# Altium PCB PCB_Kasli.PCBDOC (part 4 of 16)
Units mm, origin at the board's own origin, x right, y up, seen from the top; angles counter-clockwise.
Board outline 200.3 x 100 mm, 6 copper layers (TopLayer, MidLayer1, MidLayer2, SignalLayer1, Internal Plane 1, BottomLayer), stack 1.528 mm thick; 775 components, 636 nets, 3136 pads, 1724 vias.
Unrouted connection lines stored in the file: 7.
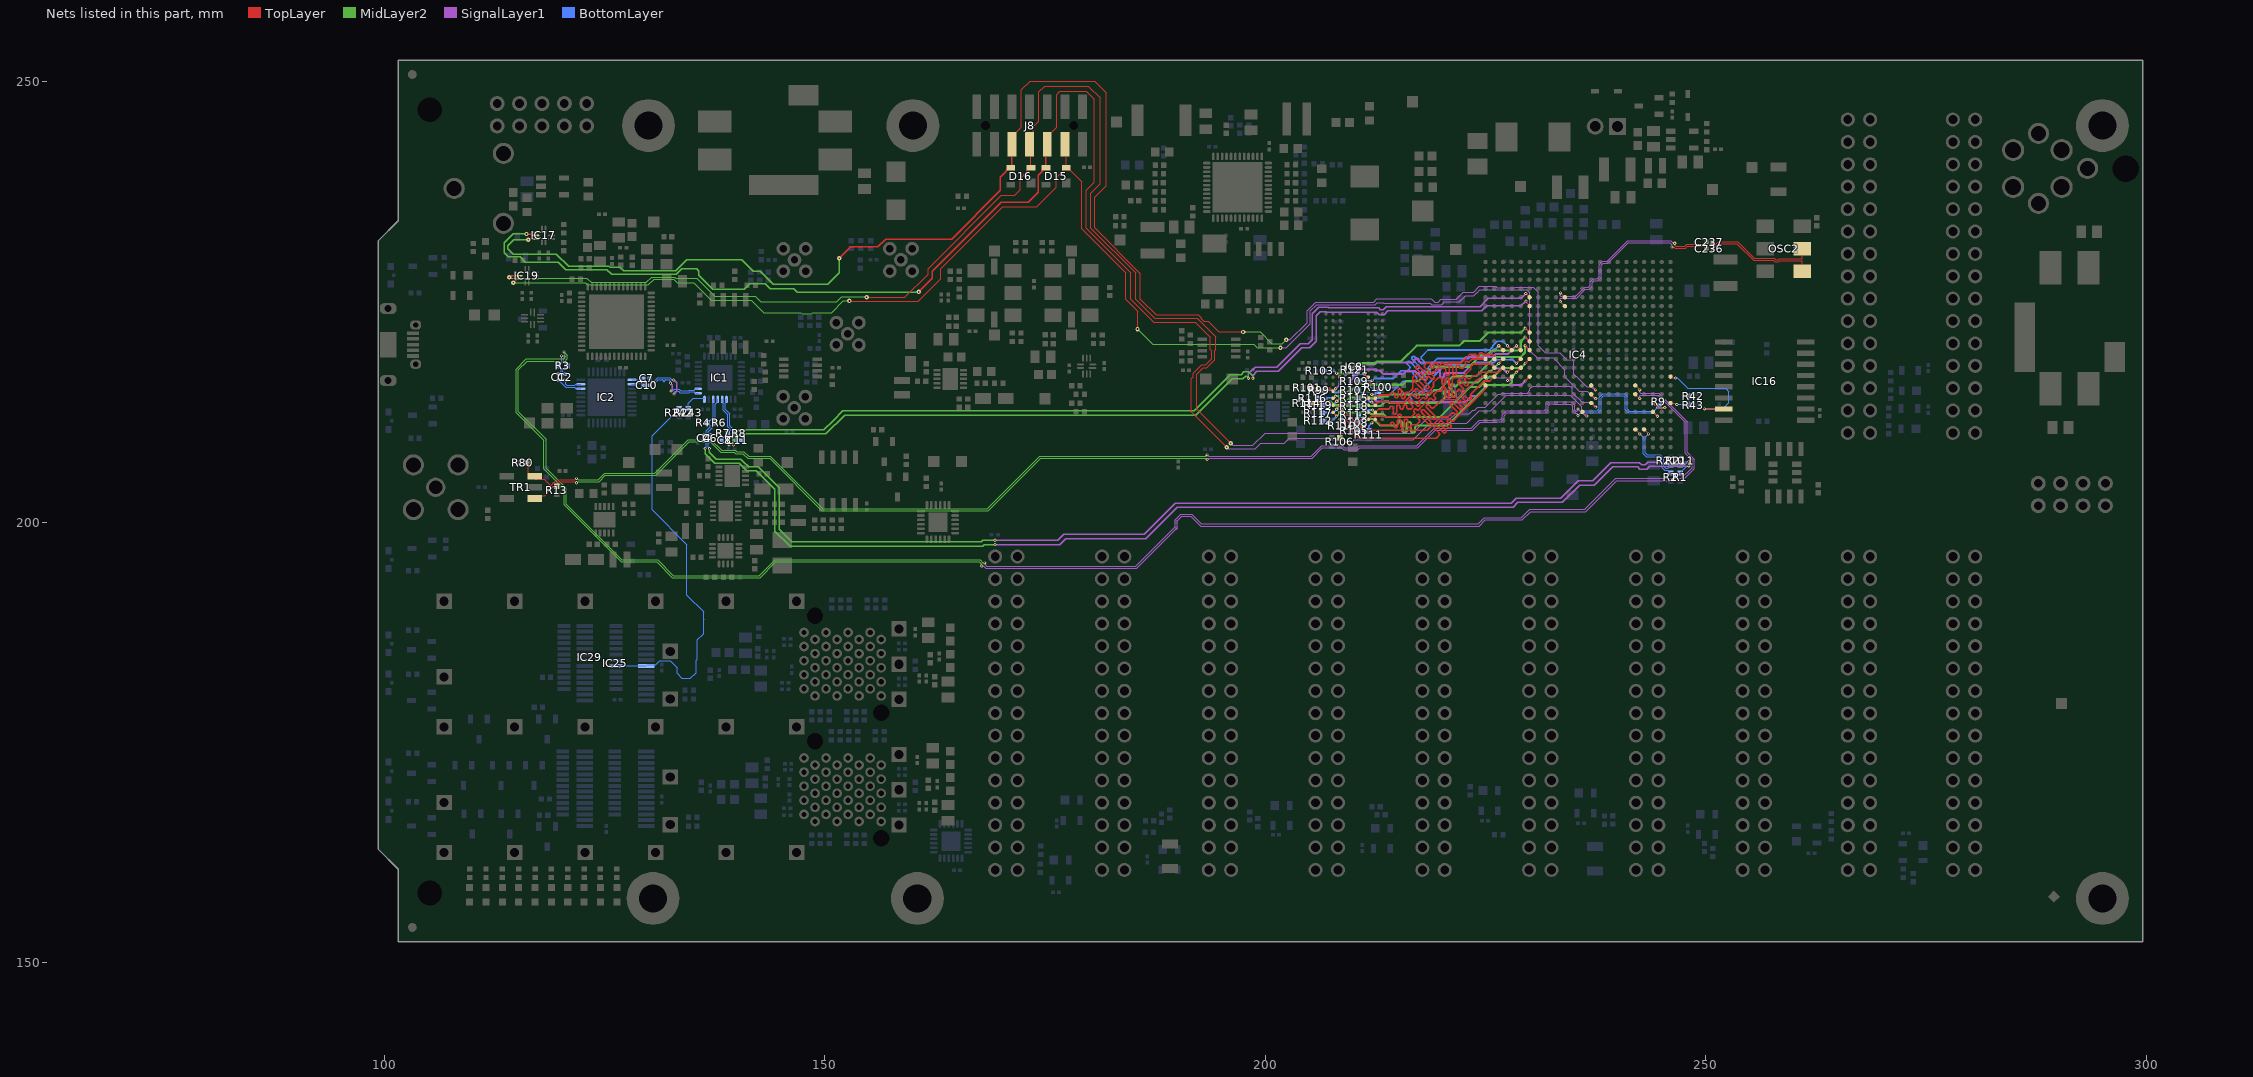
[diagram p8: the nets of this part, all layers, seen from the top]

## Via types
v1: diameter 0.5, hole 0.2, TopLayer to BottomLayer, tented both sides, 845 vias
v2: diameter 0.35, hole 0.15, TopLayer to BottomLayer, tented both sides, 612 vias
v3: diameter 0.8, hole 0.5, TopLayer to BottomLayer, tented both sides, 144 vias
v4: diameter 0.8, hole 0.5, TopLayer to BottomLayer, 66 vias
v5: diameter 0.5, hole 0.2, TopLayer to BottomLayer, 57 vias

## Nets (pads, with @x,y where several pads share a name; then routed paths per layer and width w, separated by ;. In a path a pad name is that pad's centre, name@x,y a point inside that pad or via, vN(x,y) a via of type N, cw(c..) or ccw(c..) an arc to the next point about the centre after c; other vN are vias at no path point) (continued)
CFG_MOSI: IC4.P22 IC16.15 | length 13.9
  TopLayer w0.125: IC4.P22@245.991,216.515 246.146,216.36 v2(246.556,216.36) ; v2(249.825,212.85) 252.025,212.85 IC16.15@252.05,212.825
  BottomLayer w0.125: v2(246.556,216.36) 246.734,216.36 247.919,215.175 252.237,215.175 252.619,214.792 252.619,213.525 251.944,212.85 v2(249.825,212.85)
CFG_PUDC_B: IC4.U22 R42.1 R43.2 | length 3.1
  TopLayer w0.125: IC4.U22@245.991,213.515 246.469,213.515 246.634,213.35 v2(246.694,213.35)
  BottomLayer w0.125: v2(246.694,213.35) R43.2@247.981,213.35 ; R43.2@248.123,213.242 R42.1@248.123,214.258
CFG_TCK: D15.3 IC4.V12 IC17.4 J8.6 | length 188.5
  TopLayer w0.125: J8.6@175.25,242.875 175.25,243.75 176.325,244.825 176.325,248.525 176.675,248.875 179.7,248.875 180.6,247.975 180.6,238.575 179.675,237.65 179.675,233.35 184.75,228.275 184.75,225.275 187.35,222.675 192.05,222.675 193.775,220.95 193.775,219.575 193.9,219.45 193.9,218.55 193.225,217.875 192.805,217.875 191.813,216.882 191.813,216.508 191.575,216.271 191.575,212.531 v1(195.615,208.49) ; IC4.V12@235.991,212.515 236.456,212.05 v2(236.494,212.05)
  TopLayer w0.15: v1(116.15,232.7) 116.163,232.687 116.588,232.687 116.738,232.537 IC17.4@117.21,232.537 ; v1(160.675,226.125) 162.225,227.675 162.225,228.475 170.05,236.3 173.125,236.3 174.25,237.425 174.25,239.35 174.691,239.791 174.691,239.975 174.916,240.2 D15.3@175.1,240.2 175.1,242.725 J8.6@175.25,242.875
  MidLayer2 w0.15: v1@116.225,232.625 v1(116.15,232.7) 114.625,232.7 113.625,231.7 113.625,230.547 114.06,230.111 115.425,230.111 116.036,229.5 119.75,229.5 120.631,228.619 125.281,228.619 125.8,228.1 133.122,228.1 133.747,228.725 135.446,228.725 135.725,228.446 135.725,228 137.275,226.45 140.849,226.45 141.469,227.069 143.231,227.069 143.801,226.5 146.486,226.5 146.9,226.086 160.636,226.086 v1(160.675,226.125)
  SignalLayer1 w0.1: v1(195.615,208.49) 195.756,208.35 198.85,208.35 199.456,208.956 202.162,208.956 202.737,209.531 207.79,209.531 207.976,209.346 208.849,209.346 209.289,208.906 209.662,208.906 210.087,209.331 216.801,209.331 218.671,211.202 222.846,211.202 224.269,212.625 225.589,212.625 226.256,213.291 226.256,213.336 227.33,214.41 234.626,214.41 235.926,213.111 235.926,212.481 v2@236.426,211.981
CFG_TDI: D16.3 IC4.R13 IC17.5 J8.10 | length 184.6
  TopLayer w0.125: J8.10@171.25,242.875 171.25,243.75 172.325,244.825 172.325,249.075 173.3,250.05 180.625,250.05 181.95,248.725 181.95,238.2 180.625,236.875 180.625,233.391 185.825,228.191 185.825,225.302 187.602,223.525 192.4,223.525 192.738,223.187 192.738,223.058 193.017,222.779 193.521,222.779 194.725,221.575 v1(197.475,221.575) ; IC4.R13@236.991,215.515 v2(237.491,215.015)
  TopLayer w0.15: v1@116.356,231.931 v1(116.356,232.036) 116.456,232.137 IC17.5@117.21,232.137 ; v1(151.65,229.95) 152.925,231.225 156,231.225 156.9,232.125 164.4,232.125 169.925,237.65 169.925,239.15 171.25,240.475 J8.10@171.25,242.875
  MidLayer2 w0.1: v1(197.475,221.575) 199.4,221.575 200.75,220.225 201.925,220.225 v1(202.375,220.675)
  MidLayer2 w0.15: v1(116.356,232.036) 114.708,232.036 114.025,231.353 114.025,231.048 114.648,230.425 116.295,230.425 116.309,230.411 119.538,230.411 120.924,229.025 125.525,229.025 125.6,228.95 126.758,228.95 127.208,228.5 133.082,228.5 134.331,229.749 140.601,229.749 141.875,228.475 142.7,228.475 144.175,227 150.325,227 151.65,228.325 v1(151.65,229.95)
  SignalLayer1 w0.1: v1(202.375,220.675) 202.8,220.675 204.775,222.65 204.775,224 205.75,224.975 212.315,224.975 212.665,225.325 218.858,225.325 219.233,224.95 219.606,224.95 219.931,225.275 221.644,225.275 222.476,226.106 223.649,226.106 224.293,226.75 226.15,226.75 226.329,226.571 228.291,226.571 228.345,226.625 230.412,226.625 230.975,226.062 230.975,220.001 231.77,219.206 233.426,219.206 234.226,218.406 234.851,218.406 235.031,218.226 235.031,216.797 235.258,216.57 235.286,216.57 236.476,215.381 236.988,215.381 v2@237.423,214.946
CFG_TDO: D16.2 IC4.U13 IC19.4 J8.8 | length 183.9
  TopLayer w0.125: v1(154.75,225.525) 159.1,225.525 161.725,228.15 161.725,228.775 170.025,237.075 171.55,237.075 172.175,237.7 172.175,238.975 172.992,239.792 172.992,239.963 173.23,240.2 D16.2@173.4,240.2 173.4,242.725 J8.8@173.25,242.875 173.687,243.313 173.687,244.862 174.3,245.475 174.3,248.825 174.95,249.475 179.925,249.475 181.25,248.15 181.25,238.375 180.2,237.325 180.2,233.35 185.275,228.275 185.275,225.3 187.425,223.15 192.25,223.15 194.375,221.025 194.375,219.575 194.25,219.45 194.25,218.405 193.37,217.525 192.95,217.525 192.225,216.8 192.225,212.8 v1(196.075,208.95) ; IC4.U13@236.991,213.515 237.468,213.039 v2(237.519,213.039)
  TopLayer w0.15: v1(114.2,227.8) 114.295,227.8 114.46,227.965 114.99,227.965 114.997,227.972 115.297,227.972 IC19.4@115.305,227.965
  MidLayer2 w0.125: v1(114.2,227.8) 114.3,227.7 123,227.7 123.475,227.225 129.762,227.225 130.351,227.814 132.954,227.814 133.068,227.7 135.475,227.7 137.537,225.637 142.087,225.637 142.725,225 151.375,225 151.938,225.563 154.712,225.563 v1(154.75,225.525)
  SignalLayer1 w0.1: v1(196.075,208.95) 196.325,208.7 198.594,208.7 199.976,210.081 216.726,210.081 218.351,211.706 221.001,211.706 221.601,212.306 223.161,212.306 223.571,212.716 223.76,212.716 224.101,213.056 224.976,213.056 226.448,214.529 226.711,214.529 226.822,214.64 229.709,214.64 230.035,214.966 230.035,215.107 230.339,215.41 234.611,215.41 234.855,215.166 234.855,214.701 235.841,213.716
  SignalLayer1 w0.125: 235.841,213.716 235.974,213.582 236.975,213.582 v2(237.519,213.039)
CFG_TMS: D15.2 IC4.T13 IC19.5 J8.4 | length 165.2
  TopLayer w0.125: v1(152.8,225.1) 152.837,225.062 160.637,225.062 163.175,227.6 163.175,228.775 170.175,235.775 174.075,235.775 176.275,237.975 176.275,239.075 176.992,239.792 176.992,239.963 177.23,240.2 D15.2@177.4,240.2 ; J8.4@177.25,242.875 177.4,242.725 D15.2@177.4,240.2 ; v1(185.5,221.9) 185.5,223.95 184.15,225.3 184.15,228.3 179.15,233.3 179.15,238.65 177.6,240.2 D15.2@177.4,240.2 ; IC4.T13@236.991,214.515 237.496,214.01 v2(237.505,214.01)
  TopLayer w0.15: v1(114.65,227.15) 115.065,227.565 IC19.5@115.305,227.565
  MidLayer2 w0.1: v1(152.8,225.1) v1@152.825,225.075 ; v1(185.5,221.9) 187.2,220.2 198.686,220.2 199.111,219.775 v1(201.725,219.775)
  MidLayer2 w0.125: v1(114.65,227.15) 122.8,227.15 123.025,226.925 129.985,226.925 130.635,227.575 132.85,227.575 133.247,227.178 135.147,227.178 137.126,225.199 141.676,225.199 143.101,223.774 147.3,223.774 147.436,223.637 148.492,223.637 148.628,223.774 150.801,223.774 152.127,225.1 v1(152.8,225.1)
  SignalLayer1 w0.1: v1(201.725,219.775) 202.375,219.775 205.111,222.511 205.111,223.969 205.817,224.675 212.475,224.675 212.698,224.898 213.373,224.898 213.418,224.853 218.722,224.853 218.894,224.681 220,224.681 220.309,224.99 222.01,224.99 222.726,225.706 223.676,225.706 224.01,226.041 224.03,226.041 224.35,226.361 225.6,226.361 225.629,226.39 229.647,226.39 230.026,226.011 230.026,219.456 230.851,218.631 232.676,218.631 234.001,217.306 234.001,216.506 235.651,214.856 236.522,214.856 v2@237.437,213.941
CK_FPGAIO_N: C6.2 IC4.Y19 R210.2 R211.2 | length 133.5
  TopLayer w0.095: IC4.Y19@242.991,210.515 v2(243.491,210.015)
  MidLayer2 w0.165: v2(136.925,208.338) 136.912,208.325 136.912,207.938 137.7,207.15 140.475,207.15 140.753,206.872 141.35,206.275 142.447,206.275 144.825,203.897 144.825,199.175 146.258,197.743 167.738,197.743 167.921,197.925 169.312,197.925 v2(169.325,197.937)
  SignalLayer1 w0.165: v2(169.325,197.937) 169.338,197.925 170.3,197.925 170.812,197.925 ; 170.8,197.937 170.812,197.925 ; v2@247.991,206.79 247.625,206.79 247.415,206.79 247.206,206.79 cw(c247.206,207) 246.996,207 ccw(c246.787,207) 246.787,207.209 ccw(c246.787,207) 246.577,207 cw(c246.368,207) 246.368,206.79 246.175,206.79 243.408,206.79 243.111,206.493 242.711,206.493 242.452,206.753 239.228,206.753 237.15,204.675 235.5,204.675 233.525,202.7 228.478,202.7 227.928,202.15 189.803,202.15 186.253,198.6 177.128,198.6 176.453,197.925 170.812,197.925
  BottomLayer w0.095: v2(136.925,208.338) 136.925,208.381 136.785,208.521 136.785,208.942 136.841,208.997 136.872,208.997 137.025,209.15 C6.2@137.025,209.175 ; v2(243.491,210.015) 243.119,209.642 243.119,207.861 243.337,207.642 243.767,207.642 244.119,207.642 244.802,207.642 245.215,207.229 245.215,206.339 245.422,206.132 245.693,206.132 R210.2@246.029,206.468 R211.2@247.07,206.468 247.618,206.468 ; 247.618,206.468 248.049,206.9 v2(248.069,206.9)
CK_FPGAIO_P: C4.2 IC4.Y18 R1.2 R2.2 | length 134.3
  TopLayer w0.095: IC4.Y18@241.991,210.515 v2@242.497,210.009
  MidLayer2 w0.165: v2(136.425,208.338) 136.437,208.325 136.437,207.741 137.503,206.675 140.278,206.675 141.153,205.8 142.25,205.8 144.35,203.7 144.35,198.978 146.061,197.267 167.935,197.267 168.118,197.45 169.313,197.45 v2(169.325,197.437)
  SignalLayer1 w0.165: v2(169.325,197.437) 169.337,197.45 170.497,197.45 170.813,197.45 ; 170.8,197.437 170.813,197.45 ; v2@247.991,206.315 243.605,206.315 243.308,206.018 242.515,206.018 242.255,206.278 239.425,206.278 237.347,204.2 235.697,204.2 233.722,202.225 228.675,202.225 228.125,201.675 190,201.675 186.45,198.125 177.325,198.125 176.65,197.45 170.813,197.45
  BottomLayer w0.095: C4.2@136.325,209.175 136.325,209.15 136.477,208.997 136.509,208.997 136.565,208.942 136.565,208.521 136.425,208.381 v2(136.425,208.338) ; v2(242.497,209.991) 242.497,210.009 242.899,209.607 242.899,207.77 243.246,207.422 244.711,207.422 244.995,207.138 244.995,206.248 245.331,205.912 245.692,205.912 246.028,205.576 247.095,205.576 247.903,206.384 v2(248.06,206.384)
CK_GTP_125_N: C237.1 OSC2.5 | length 12.7
  TopLayer w0.095: C237.1@250.759,231.784 250.784,231.784 250.937,231.632 250.937,231.569 250.993,231.513 251.115,231.513 251.427,231.825 253.611,231.825 255.511,229.925 257.742,229.925 ; OSC2.5@260.943,231.022 260.943,229.918 260.888,229.862 260.122,229.862 260.116,229.868 258.306,229.868 258.194,229.756 257.914,229.756 ; 257.742,229.925 257.745,229.925 257.914,229.756 ; 257.742,229.925 257.912,229.756 257.914,229.756
CK_GTP_125_P: C236.1 OSC2.4 | length 12.6
  TopLayer w0.095: C236.1@250.759,231.022 250.784,231.022 250.937,231.174 250.937,231.237 250.993,231.293 251.206,231.293 251.518,231.605 253.52,231.605 255.42,229.705 257.425,229.705 257.651,229.705 257.759,229.598 ; 257.697,229.659 257.82,229.536 258.286,229.536 258.397,229.647 260.025,229.647 260.031,229.642 260.888,229.642 260.943,229.586 OSC2.4@260.943,228.482
CK_GTP_N: C11.2 IC4.E6 | length 101.3
  TopLayer w0.095: v2(229.556,225.95) IC4.E6@229.991,225.515
  MidLayer2 w0.165: v2(139.65,208.775) 139.638,208.787 139.638,209.198 140.44,210 150.1,210 152.25,212.15 192.109,212.15 196.224,216.265 197.448,216.265 197.757,216.573 197.893,216.573 197.99,216.477 197.99,216.468 198.083,216.375 v2(198.083,216.325)
  SignalLayer1 w0.165: v2(198.083,216.325) 198.083,216.829 198.853,217.6 201.3,217.6 203.95,220.25 204.875,220.25 205.325,220.7 205.325,223.635 206.063,224.374 207.124,224.374 207.193,224.305 212.86,224.305 213.049,224.116 213.386,224.116 213.721,224.45 224.373,224.45 224.659,224.737 224.752,224.829 224.752,224.852 225.323,225.423 229.029,225.423 v2@229.488,225.881
  BottomLayer w0.095: v2(139.65,208.775) 139.719,208.775 139.908,208.964 140.114,208.964 140.45,209.3 C11.2@140.475,209.3
CK_GTP_P: C8.2 IC4.F6 | length 102.2
  TopLayer w0.095: v2(229.594,225.075) 229.594,224.975 229.991,224.578 IC4.F6@229.991,224.515
  MidLayer2 w0.165: v2(139.15,208.775) 139.163,208.788 139.163,209.394 140.243,210.475 146.1,210.475 149.903,210.475 150.939,211.511 152.053,212.625 191.912,212.625 196.027,216.74 197.251,216.74 197.56,217.048 198.09,217.048 198.558,216.581 198.558,216.35 v2(198.583,216.325)
  SignalLayer1 w0.165: v2(198.583,216.325) 198.558,216.35 198.558,216.633 199.05,217.125 201.497,217.125 204.147,219.775 205.072,219.775 205.8,220.503 205.8,223.438 206.26,223.899 206.927,223.899 206.996,223.83 212.663,223.83 212.943,223.55 213.492,223.55 213.917,223.975 224.569,223.975 225.133,224.539 229.015,224.539 229.483,225.006 v2@229.526,225.006
  BottomLayer w0.095: C8.2@138.275,209.3 138.3,209.3 138.65,208.95 138.967,208.95 139.142,208.775 v2(139.15,208.775)
CKC_GTP_125_N: C237.2 IC4.E10 | length 21.9
  TopLayer w0.095: v2(233.491,226.015) IC4.E10@233.991,225.515 ; v2(246.469,231.65) 246.489,231.63 246.489,231.411 246.575,231.325 246.794,231.325 247.623,231.325 247.811,231.513 248.525,231.513 249.826,231.513 249.882,231.569 249.882,231.632 249.907,231.632 C237.2@250.059,231.784
  SignalLayer1 w0.1: v2@246.449,231.67 v2(246.469,231.65)
  SignalLayer1 w0.115: v2(233.491,226.015) 233.491,225.7 233.559,225.633 233.721,225.633 235.236,225.633 236.236,226.633 236.65,226.633 236.874,226.857 236.874,227.271 237.236,227.632 237.65,227.632 237.874,227.857 237.874,229.228 238.25,229.603 238.791,229.603 241.111,231.924 242.987,231.924 245.987,231.924 246.234,231.676 246.443,231.676 v2@246.449,231.67
CKC_GTP_125_P: C236.2 IC4.F10 | length 21.9
  TopLayer w0.095: v2(233.491,225.015) IC4.F10@233.991,224.515 ; v2(246.144,231.225) 246.164,231.205 246.384,231.205 246.484,231.105 246.703,231.105 247.714,231.105 247.902,231.293 248.434,231.293 249.826,231.293 249.882,231.237 249.882,231.174 250.034,231.022 C236.2@250.059,231.022
  SignalLayer1 w0.1: v2@246.124,231.367 246.124,231.245 v2(246.144,231.225)
  SignalLayer1 w0.115: v2(233.491,225.015) 233.491,225.33 233.559,225.397 233.819,225.397 235.333,225.398 236.333,226.397 236.747,226.397 237.109,226.759 237.109,227.173 237.333,227.397 237.747,227.397 238.109,227.759 238.109,229.13 238.347,229.368 238.888,229.368 239.097,229.578 241.208,231.689 242.758,231.689 245.89,231.689 246.124,231.454 v2@246.124,231.367
CKI_FPGAIO_N: C6.1 IC1.29 R6.1 | length 4.6
  BottomLayer w0.095: C6.1@137.025,209.875 137.025,209.9 136.872,210.053 136.841,210.053 136.785,210.108 136.785,210.269 137.223,210.706 137.223,210.932 137.278,210.988 137.288,210.988 137.391,211.091 R6.1@137.391,211.3 ; R6.1@137.435,211.345 137.391,211.389 137.391,211.647 137.594,211.85 137.594,213.379 137.85,213.635 IC1.29@137.85,213.928
CKI_FPGAIO_P: C4.1 IC1.30 R4.1 | length 4.7
  BottomLayer w0.095: C4.1@136.325,209.875 136.325,209.9 136.477,210.053 136.509,210.053 136.565,210.108 136.565,210.36 137.002,210.797 137.002,210.932 136.947,210.988 136.938,210.988 136.816,211.109 136.816,211.391 136.938,211.512 136.961,211.512 137.171,211.723 137.171,211.738 137.374,211.941 137.374,213.434 137.374,213.904 IC1.30@137.35,213.928
CKI_GTP_N: C11.1 IC1.27 R8.1 | length 5.9
  BottomLayer w0.095: IC1.27@138.85,213.928 138.85,213.635 138.71,213.495 138.71,212.79 139.22,212.28 139.22,210.923 139.307,210.836 139.313,210.836 139.498,210.652 139.498,210.418 139.553,210.362 139.587,210.362 139.83,210.12 R8.1@139.83,210.1 139.83,210.08 139.587,209.838 139.553,209.838 139.485,209.769 139.485,209.508 139.541,209.452 139.622,209.452 C11.1@139.775,209.3 ; C11.1@139.751,209.414 139.813,209.414 139.966,209.261 C11.1@139.966,209.236 ; R8.1@139.814,209.844 R8.1@139.888,209.844 ; R8.1@139.83,210.368 R8.1@139.888,210.368
CKI_GTP_P: C8.1 IC1.28 R7.1 | length 5.5
  BottomLayer w0.095: IC1.28@138.35,213.928 138.35,213.635 138.49,213.495 138.49,212.699 139,212.189 139,210.832 139.216,210.616 139.222,210.616 139.277,210.56 139.277,210.418 139.222,210.362 139.188,210.362 138.945,210.12 R7.1@138.945,210.1 138.945,210.08 139.188,209.838 139.209,209.838 139.265,209.782 139.265,209.508 139.209,209.452 139.128,209.452 C8.1@138.975,209.3
CKIN0_N: C2.2 IC2.17 | length 2.3
  BottomLayer w0.095: C2.2@120.573,216.1 120.62,216.053 120.62,215.629 120.741,215.509 121.609,215.509 121.749,215.649 IC2.17@122.322,215.649
CKIN0_P: C1.2 IC2.16 | length 2.9
  BottomLayer w0.095: C1.2@119.811,216.1 120.622,215.289 121.609,215.289 121.749,215.149 IC2.16@122.322,215.149
CKOUT_1_N: C10.2 IC1.2 | length 7.6
  SignalLayer1 w0.165: v2(132.5,215.775) 132.5,215.725 132.711,215.514 132.711,215.068 132.546,214.903 v2(132.546,214.879)
  BottomLayer w0.095: C10.2@130.125,215.525 130.15,215.525 130.303,215.677 130.303,215.747 130.358,215.802 130.777,215.802 131.123,216.148 131.375,216.148 131.47,216.148 131.565,216.148 cw(c131.565,216.053) 131.66,216.053 131.66,216.043 ccw(c131.755,216.043) 131.755,215.948 ccw(c131.755,216.043) 131.85,216.043 131.85,216.053 cw(c131.945,216.053) 131.945,216.148 132.04,216.148 132.23,216.148 132.325,216.148 132.469,216.004 132.469,215.806 v2(132.5,215.775) ; v2(132.546,214.879) 132.577,214.909 132.775,214.909 132.928,215.063 133.511,215.063 133.646,214.928 134.55,214.928 134.61,214.988 135.217,214.988 135.357,215.128 IC1.2@135.65,215.128
CKOUT_1_P: C7.2 IC1.1 | length 8.1
  SignalLayer1 w0.165: v2(132.854,216.129) 133.186,215.796 133.186,214.837 132.9,214.551 v2(132.9,214.525)
  BottomLayer w0.095: C7.2@130.125,216.3 130.15,216.3 130.303,216.148 130.303,216.078 130.358,216.022 130.686,216.022 131.031,216.368 132.417,216.368 132.625,216.159 132.823,216.159 v2(132.854,216.129) ; v2(132.9,214.525) 132.931,214.556 132.931,214.754 133.02,214.843 133.42,214.843 133.555,214.707 134.641,214.707 134.701,214.768 135.217,214.768 135.357,214.628 IC1.1@135.65,214.628
CKOUT_D_1_N: C10.1 IC2.29 | length 1.5
  BottomLayer w0.095: IC2.29@128.122,215.649 128.695,215.649 128.834,215.789 129.161,215.789 C10.1@129.425,215.525
CKOUT_D_1_P: C7.1 IC2.28 | length 1.5
  BottomLayer w0.095: IC2.28@128.122,216.149 128.695,216.149 128.834,216.009 129.134,216.009 C7.1@129.425,216.3
CLK_SEL: IC1.32 IC25.8 IC29.20 R242.1 R243.2 | length 48.7
  BottomLayer w0.125: IC29.20@126.3,183.675 IC25.8@129.75,183.675 129.912,183.837 130.848,183.837 131.248,184.238 132.487,184.238 133.244,183.481 133.244,182.817 133.799,182.262 134.754,182.262 135.396,182.904 135.396,184.296 135.55,184.45 135.55,186.621 136.263,187.333 136.263,188.937 136.25,188.95 136.25,189.8 134.325,191.725 134.325,197.45 130.4,201.375 130.4,209.79 133.48,212.87 R242.1@133.5,212.87 R243.2@134.5,212.87 134.5,213.5 135.075,214.075 136.281,214.075 136.35,214.006 IC1.32@136.35,213.928
CLK_SMA_IN_N: IC4.V20 R13.2 TR1.3 | length 144.6
  TopLayer w0.095: TR1.3@117.115,202.672 117.447,203.005 118.208,203.005 118.928,203.725 118.928,203.728 119.076,203.876 119.076,203.965 119.181,204.07 R13.2@119.6,204.07 119.6,204.493 119.708,204.601 120.069,204.601 120.665,204.601 121.642,204.601 v2@121.782,204.461 ; IC4.V20@243.991,212.515 v2(244.491,212.015)
  MidLayer2 w0.1: v2(121.825,204.461) 121.869,204.461 122.009,204.601 124.412,204.601 125.111,205.3 130.797,205.3 131.479,205.982 131.489,205.982
  MidLayer2 w0.115: 131.489,205.982 134.632,209.125 136.987,209.125 138.197,207.915 139.753,207.915 139.894,207.774 140.722,207.774 141.271,207.225 143.743,207.225 149.668,201.3 168.557,201.3 174.515,207.258 193.215,207.258 193.348,207.125 v2(193.4,207.125)
  SignalLayer1 w0.115: v2(193.4,207.125) 193.452,207.125 193.585,207.258 205.328,207.258 206.488,208.417 208.665,208.417 208.876,208.206 210.512,208.206 210.723,208.417 217.294,208.417 219.281,210.405 223.48,210.405 224.396,211.321 226.257,211.321 226.333,211.397 226.787,211.397 227.122,211.733 227.122,212.094 227.426,212.397 228.333,212.397 231.747,212.397 232.123,212.773 232.123,213.194 232.347,213.418 232.664,213.418 232.684,213.397 234.65,213.397 234.88,213.168 234.88,212.616 235.15,212.346 235.338,212.346 235.405,212.279 235.405,212.244 235.487,212.163 v2(235.487,212.099)
  BottomLayer w0.095: v2(235.487,212.099) 235.811,212.423 237.773,212.423 238.112,212.762 238.112,214.082 238.381,214.351 240.682,214.351 240.872,214.161 240.872,212.753 241.237,212.387 241.646,212.387 ; 241.646,212.387 242.337,212.387 ; 242.337,212.387 242.646,212.387 243.337,212.387 243.646,212.387 244.119,212.387 v2(244.491,212.015)
CLK_SMA_IN_P: IC4.U20 R9.2 R80.2 TR1.1 | length 148
  TopLayer w0.095: R80.2@116.22,206.75 116.22,206.297 116.337,206.18 116.337,205.545 116.67,205.212 TR1.1@117.115,205.212 117.447,204.88 118.144,204.88 118.824,204.2 119,204.2 119.154,204.354 119.154,204.416 119.233,204.496 119.296,204.496 119.38,204.58 119.38,204.584 119.616,204.821 119.978,204.821 120.756,204.821 121.642,204.821 121.782,204.961 v2(121.825,204.961) ; IC4.U20@243.991,213.515 244.521,212.985 v2(245.337,212.985)
  MidLayer2 w0.1: v2(121.825,204.961) 121.869,204.961 122.009,204.821 124.321,204.821 125.02,205.52 130.706,205.52 131.388,206.202 131.388,206.212
  MidLayer2 w0.115: 131.388,206.212 134.535,209.36 137.084,209.36 138.294,208.15 139.851,208.15 139.992,208.009 140.819,208.009 141.368,207.46 143.84,207.46 149.765,201.535 168.46,201.535 174.418,207.493 193.215,207.493 193.348,207.625 v2(193.4,207.625)
  SignalLayer1 w0.115: v2(193.4,207.625) 193.452,207.625 193.585,207.493 205.231,207.493 206.39,208.652 208.762,208.652 208.973,208.441 210.415,208.441 210.626,208.652 217.196,208.652 219.184,210.64 223.382,210.64 224.299,211.556 226.159,211.556 226.236,211.632 226.689,211.632 226.887,211.831 226.887,212.191 227.329,212.632 228.236,212.632 231.65,212.632 231.888,212.87 231.888,213.291 232.249,213.653 232.761,213.653 232.781,213.632 234.747,213.632 235.115,213.265 235.115,212.714 235.247,212.581 235.342,212.581 235.41,212.648 235.41,212.683 235.491,212.765 v2(235.491,212.828)
  BottomLayer w0.095: v2(235.491,212.828) 235.677,212.643 237.682,212.643 237.892,212.853 237.892,214.173 238.29,214.571 240.773,214.571 241.092,214.253 241.092,212.844 241.329,212.607 241.737,212.607 242.246,212.607 242.737,212.607 ; 242.737,212.607 243.246,212.607 243.737,212.607 244.083,212.607 244.462,212.985 v2(245.337,212.985)
CLKREC_N: C2.1 IC4.T18 R3.1 | length 178.9
  TopLayer w0.095: IC4.T18@241.991,214.515 242.456,214.05 v2(242.494,214.05)
  MidLayer2 w0.115: v2(120.4,219.325) 120.785,218.94 120.785,218.528 120.532,218.275 116.225,218.275 115.225,217.275 115.225,212.525 118.369,209.381 118.369,206.131 120.65,203.85 120.65,202.05 126.99,195.71 131.022,195.71 132.797,193.935 142.585,193.935 144.36,195.71 167.653,195.71 167.951,195.412 168.138,195.412 v2(168.175,195.375)
  SignalLayer1 w0.115: v2(168.175,195.375) 168.212,195.338 168.212,195.151 168.382,194.98 185.298,194.98 189.775,199.457 189.775,200.257 190.403,200.885 191.647,200.885 192.747,199.785 224.163,199.785 224.853,200.475 229.043,200.475 230.003,201.435 236.278,201.435 239.793,204.95 247.225,204.95 248.452,206.177 248.452,207.058 247.675,207.835 247.675,211.315 244.575,214.415 242.56,214.415 242.493,214.348 v2(242.494,214.05) v2(242.494,214.05)
  BottomLayer w0.095: v2(120.4,219.325) 120.4,219.3 120.525,219.175 120.525,219.052 120.525,218.743 120.503,218.722 120.503,218.706 120.373,218.576 120.373,218.072 R3.1@120.72,217.725 120.673,217.677 120.642,217.677 120.29,217.325 120.29,217.084 C2.1@120.573,216.8
CLKREC_P: C1.1 IC4.R18 R3.2 | length 179.2
  TopLayer w0.095: IC4.R18@241.991,215.515 v2(242.491,215.015)
  MidLayer2 w0.115: v2(120.131,218.861) 120.483,218.861 120.55,218.793 120.55,218.625 120.435,218.51 116.128,218.51 114.99,217.372 114.99,212.428 118.134,209.284 118.134,206.034 120.415,203.753 120.415,201.953 126.893,195.475 128.693,195.475 130.925,195.475 132.7,193.7 142.682,193.7 144.457,195.475 167.555,195.475 167.784,195.246 167.784,195.058 v2(167.821,195.021)
  SignalLayer1 w0.115: v2(167.821,195.021) 167.858,194.984 168.046,194.984 168.285,194.745 185.395,194.745 190.01,199.36 190.01,200.16 190.5,200.65 191.55,200.65 192.65,199.55 224.26,199.55 224.95,200.24 229.14,200.24 230.1,201.2 236.375,201.2 239.89,204.715 247.322,204.715 248.687,206.08 248.687,207.156 247.91,207.933 247.91,211.412 244.672,214.65 242.56,214.65 242.493,214.717 242.493,215.013 v2(242.491,215.015)
  BottomLayer w0.095: C1.1@119.811,216.8 120.095,217.084 120.095,217.41 R3.2@119.78,217.725 120.153,218.098 120.131,218.119 v2(120.131,218.861)
DDR3_A0: IC4.L6 IC8.N3 R119.1 | length 27.5
  TopLayer w0.19: v2(208.104,213.71) 208.151,213.71 208.486,214.046 IC8.N3@208.486,214.049 ; v2(229.491,220.015) IC4.L6@229.991,219.515
  MidLayer2 w0.24: v2(208.104,213.71) 209.205,213.71 209.619,214.125 211.826,214.125 211.896,214.055 212.264,214.055 212.484,214.275 213.917,214.275 214.136,214.494 217.044,214.494 218.663,214.494 219.144,214.975 219.705,214.975 221.295,216.566 223.989,216.566 224.014,216.59 224.275,216.851 224.275,216.955 226.044,218.725 228.944,218.725 229.469,219.25 229.469,219.993 v2(229.491,220.015)
  BottomLayer w0.19: R119.1@206.564,213.325 206.624,213.265 207.659,213.265 v2(208.104,213.71)
DDR3_A1: IC4.M5 IC8.P7 R118.1 | length 24.6
  TopLayer w0.19: v2(211.269,213.666) IC8.P7@211.686,213.249 ; v2(228.491,218.015) IC4.M5@228.991,218.515
  BottomLayer w0.19: R118.1@210.589,213.125 210.728,213.125 v2(211.269,213.666) 211.745,213.19 213.116,213.19 213.594,213.669 213.942,213.669 214.136,213.475 216.269,213.475 216.56,213.765 ccw(c216.422,213.903) 216.56,214.041 216.419,214.182 cw(c216.557,214.319) 216.419,214.457 cw(c216.557,214.319) 216.695,214.457 216.835,214.317 ccw(c216.973,214.455) 217.111,214.317 217.249,214.455 217.269,214.475 217.407,214.613 217.545,214.751 cw(c217.683,214.613) 217.821,214.751 218.197,214.375 ccw(c218.335,214.513) 218.473,214.375 ccw(c218.335,214.513) 218.473,214.651 218.097,215.027 cw(c218.235,215.164) 218.097,215.302 218.272,215.478 218.819,216.025 219.119,216.325 219.119,216.55 220.019,217.45 220.439,217.87 223.38,217.87 223.62,218.11 225.992,218.11 226.317,218.435 228.059,218.435 228.188,218.306 228.2,218.306 v2(228.491,218.015)
DDR3_A2: IC4.P6 IC8.P3 R117.1 | length 26.2
  TopLayer w0.19: v2(208.104,212.81) 208.091,212.81 208.079,212.822 208.079,212.842 IC8.P3@208.486,213.249 ; v2(229.491,216.015) IC4.P6@229.991,216.515
  SignalLayer1 w0.24: v2(208.104,212.81) 208.614,213.32 209.576,213.32 210.367,214.111 211.84,214.111 211.896,214.055 212.263,214.055 212.625,213.694 213.953,213.694 214.043,213.604 222.729,213.604 223.432,214.306 224.026,214.306 225.275,215.556 229.032,215.556 v2@229.423,215.946
  BottomLayer w0.19: R117.1@206.464,212.55 206.599,212.415 207.709,212.415 v2(208.104,212.81)
DDR3_A3: IC4.K6 IC8.N2 R116.1 | length 28.1
  TopLayer w0.19: IC8.N2@207.686,214.049 207.933,214.295 v2(207.99,214.295) ; v2(229.494,221.012) IC4.K6@229.991,220.515
  MidLayer2 w0.24: v2(207.99,214.295) 208.274,214.295 208.759,214.78 209.649,214.78 210.619,215.75 211.785,215.75 211.945,215.59 215.585,215.59 215.994,216 217.344,216 218.969,217.625 223.174,217.625 224.524,218.975 225.169,218.975 225.659,219.465 228.659,219.465 228.994,219.8 228.994,220.5 229.494,221 v2(229.494,221.012)
  BottomLayer w0.19: R116.1@206.024,213.89 206.89,213.89 207.105,214.105 207.453,214.105 207.458,214.1 207.794,214.1 v2@207.989,214.295
DDR3_A4: IC4.M1 IC8.P8 R115.1 | length 28.4
  TopLayer w0.19: v2@212.039,213.7 212.079,213.66 v2(212.079,213.61) 212.125,213.61 IC8.P8@212.486,213.249 212.906,213.669 213.123,213.669 213.127,213.665 213.445,213.665 213.449,213.669 214.106,213.669 214.225,213.55 215.694,213.55 216.435,214.29 216.555,214.411 cw(c216.693,214.273) 216.831,214.411 217.145,214.096 ccw(c217.283,214.234) 217.421,214.096 ccw(c217.283,214.234) 217.421,214.372 216.969,214.824 cw(c217.056,214.911) 216.969,214.998 217.071,215.1 cw(c217.158,215.013) 217.245,215.1 217.697,214.648 ccw(c217.835,214.786) 217.973,214.648 ccw(c217.835,214.786) 217.973,214.923 217.52,215.376 217.055,215.841 cw(c217.193,215.979) 217.055,216.117 cw(c217.193,215.979) 217.331,216.117 217.796,215.652 218.248,215.199 ccw(c218.386,215.337) 218.524,215.199 ccw(c218.386,215.337) 218.524,215.475 218.21,215.79 cw(c218.348,215.927) 218.21,216.065 218.348,216.203 cw(c218.453,216.309) 218.348,216.415 218.412,216.479 cw(c218.517,216.373) 218.623,216.479 218.838,216.264 ccw(c218.976,216.402) 219.114,216.264 ccw(c218.976,216.402) 219.114,216.54 218.899,216.755 cw(c219.008,216.864) 218.899,216.973 218.957,217.03 cw(c219.066,216.921) 219.175,217.03 219.335,217.19 219.619,217.475 219.9,217.475 220.095,217.475 220.29,217.475 cw(c220.29,217.28) 220.485,217.28 220.485,216.848 ccw(c220.68,216.848) 220.68,216.653 ccw(c220.68,216.848) 220.875,216.848 220.875,217.475 220.875,217.583 cw(c221.07,217.583) 221.07,217.778 cw(c221.07,217.583) 221.265,217.583 221.265,217.475 221.265,216.849 ccw(c221.46,216.849) 221.46,216.654 ccw(c221.46,216.849) 221.655,216.849 221.655,217.475 221.655,217.626 cw(c221.85,217.626) 221.85,217.821 cw(c221.85,217.626) 222.045,217.626 ccw(c222.196,217.626) 222.196,217.475 222.419,217.475 222.66,217.715 222.735,217.791 ccw(c222.673,217.853) 222.735,217.915 cw(c222.873,218.053) 222.735,218.191 cw(c222.873,218.053) 223.011,218.191 ccw(c223.073,218.254) 223.136,218.191 223.349,218.405 223.397,218.453 223.459,218.515 224.594,218.515 IC4.M1@224.991,218.515
  BottomLayer w0.19: R115.1@210.589,214.05 210.625,214.086 211.443,214.086 211.919,213.61 v2(212.079,213.61)
DDR3_A5: IC4.M3 IC8.P2 R114.1 | length 27.8
  TopLayer w0.19: R114.1@205.308,213.619 205.375,213.685 206.707,213.685 206.727,213.665 207.045,213.665 207.066,213.685 v2(207.279,213.685) 207.279,213.676 207.269,213.666 IC8.P2@207.686,213.249 ; v2(226.491,218.015) IC4.M3@226.991,218.515
  MidLayer2 w0.24: v2(207.279,213.685) 207.43,213.685 207.86,213.255 208.645,213.255 208.71,213.32 209.079,213.32 209.234,213.165 213.055,213.165 213.584,213.694 213.953,213.694 214.122,213.525 214.719,213.525 217.294,213.525 219.769,213.525 220.347,214.103 ccw(c220.177,214.273) 220.347,214.442 220.317,214.472 cw(c220.487,214.642) 220.317,214.811 cw(c220.487,214.642) 220.657,214.811 220.856,214.612 221.183,214.285 ccw(c221.353,214.455) 221.523,214.285 ccw(c221.353,214.455) 221.523,214.624 221.196,214.951 220.937,215.211 cw(c221.106,215.38) 220.937,215.55 cw(c221.106,215.38) 221.276,215.55 221.365,215.46 ccw(c221.535,215.63) 221.705,215.46 221.91,215.665 222.094,215.85 224.094,215.85 225.369,217.125 225.601,217.125 v2(226.491,218.015)
DDR3_A6: IC4.N2 IC8.R8 R113.1 | length 27.2
  TopLayer w0.19: v2(212.158,212.72) 212.215,212.72 IC8.R8@212.486,212.449 212.87,212.833 213.591,212.833 213.594,212.829 213.925,212.829 213.982,212.829 ccw(c213.982,212.967) 214.12,212.967 cw(c214.315,212.967) 214.315,213.162 cw(c214.315,212.967) 214.51,212.967 214.51,212.829 214.51,212.439 ccw(c214.705,212.439) 214.705,212.244 ccw(c214.705,212.439) 214.9,212.439 214.9,212.829 214.9,213.076 cw(c215.095,213.076) 215.095,213.271 cw(c215.095,213.076) 215.29,213.076 215.29,213.024 ccw(c215.485,213.024) 215.485,212.829 ccw(c215.485,213.024) 215.68,213.024 215.68,213.112 cw(c215.875,213.112) 215.875,213.307 cw(c215.875,213.112) 216.07,213.112 216.07,213.024 ccw(c216.265,213.024) 216.265,212.829 216.302,212.829 216.548,212.829 ; 216.539,212.82 216.548,212.829 ; IC4.N2@225.991,217.515 225.556,217.95 223.569,217.95 223.319,217.7 223.319,217.35 223.294,217.325 222.344,216.375 221.425,216.375 ccw(c221.425,216.18) 221.23,216.18 221.23,215.493 cw(c221.035,215.493) 221.035,215.298 cw(c221.035,215.493) 220.84,215.493 220.84,216.18 ccw(c220.645,216.18) 220.645,216.375 ccw(c220.645,216.18) 220.45,216.18 220.45,215.799 cw(c220.255,215.799) 220.255,215.604 cw(c220.255,215.799) 220.06,215.799 220.06,216.18 ccw(c219.865,216.18) 219.865,216.375 219.67,216.375 219.619,216.375 219.094,215.85 219.094,215.375 219.014,215.295 218.866,215.146 ccw(c218.993,215.019) 218.866,214.891 cw(c218.728,214.753) 218.866,214.616 cw(c218.728,214.753) 218.59,214.616 ccw(c218.462,214.488) 218.335,214.616 218.314,214.595 ccw(c218.441,214.467) 218.314,214.34 cw(c218.176,214.202) 218.314,214.064 cw(c218.176,214.202) 218.038,214.064 ccw(c217.911,213.937) 217.783,214.064 217.635,213.916 217.497,213.778 217.487,213.767 ccw(c217.614,213.64) 217.487,213.512 cw(c217.349,213.375) 217.487,213.237 cw(c217.349,213.375) 217.211,213.237 217.084,213.364 216.631,213.817 ccw(c216.493,213.679) 216.355,213.817 ccw(c216.493,213.679) 216.355,213.541 216.67,213.226 cw(c216.532,213.088) 216.67,212.95 216.548,212.829
  BottomLayer w0.19: R113.1@210.589,212.2 210.589,212.22 211.09,212.72 v2(212.158,212.72)
DDR3_A7: IC4.M6 IC8.R2 R112.1 | length 27.6
  TopLayer w0.19: IC8.R2@207.686,212.449 208.094,212.041 v2(208.094,212.025) ; v2(229.491,218.015) IC4.M6@229.991,218.515
  MidLayer2 w0.24: v2(208.094,212.025) 208.499,212.43 209.079,212.43 209.099,212.45 211.799,212.45 211.973,212.275 213.369,212.275 213.704,211.94 216.969,211.94 219.394,211.94 219.835,211.94 223.219,215.325 224.269,215.325 225.482,216.537 225.957,216.537 226.919,217.5 229.019,217.5 229.491,217.972 v2(229.491,218.015)
  BottomLayer w0.19: R112.1@206.464,211.65 206.664,211.45 207.519,211.45 v2(208.094,212.025) ; v2(229.491,218.015) v2@229.491,218.053
DDR3_A8: IC4.P1 IC8.T8 R111.1 | length 28.1
  TopLayer w0.19: v2(212.094,211.257) IC8.T8@212.486,211.649 213.07,211.065 214.025,211.065 214.143,211.065 ccw(c214.143,211.143) 214.22,211.143 cw(c214.415,211.143) 214.415,211.338 cw(c214.415,211.143) 214.61,211.143 214.61,211.065 214.61,210.913 ccw(c214.805,210.913) 214.805,210.718 ccw(c214.805,210.913) 215,210.913 215,211.065 215,211.478 cw(c215.195,211.478) 215.195,211.673 cw(c215.195,211.478) 215.39,211.478 215.39,211.065 215.39,210.913 ccw(c215.585,210.913) 215.585,210.718 ccw(c215.585,210.913) 215.78,210.913 215.78,211.065 215.78,211.478 cw(c215.975,211.478) 215.975,211.673 cw(c215.975,211.478) 216.17,211.478 216.17,211.065 216.17,210.913 ccw(c216.365,210.913) 216.365,210.718 ccw(c216.365,210.913) 216.56,210.913 ; 216.56,210.899 cw(c216.726,210.899) 216.726,211.065 216.95,211.065 217.192,211.065 217.33,211.203 217.468,211.341 ccw(c217.33,211.479) 217.468,211.617 217.209,211.875 cw(c217.347,212.013) 217.209,212.151 cw(c217.347,212.013) 217.485,212.151 217.882,211.755 218.458,211.178 ccw(c218.596,211.316) 218.734,211.178 ccw(c218.596,211.316) 218.734,211.454 218.157,212.03 217.761,212.427 cw(c217.899,212.565) 217.761,212.703 cw(c217.899,212.565) 218.037,212.703 218.433,212.306 219.009,211.73 ccw(c219.147,211.868) 219.285,211.73 ccw(c219.147,211.868) 219.285,212.005 218.709,212.582 218.312,212.978 cw(c218.45,213.116) 218.312,213.254 cw(c218.45,213.116) 218.588,213.254 218.847,212.996 ccw(c218.985,213.133) 219.122,212.996 219.26,213.133 219.344,213.217 220.002,213.875 221.705,213.875 223.905,216.075 224.144,216.075 224.584,216.515 IC4.P1@224.991,216.515 ; 216.56,210.9 216.56,210.911
  BottomLayer w0.19: R111.1@211.744,210.37 211.744,210.907 v2(212.094,211.257)
DDR3_A9: IC4.P2 IC8.R3 R110.1 | length 28.6
  TopLayer w0.19: v2(208.894,212.875) 208.894,212.866 208.486,212.458 IC8.R3@208.486,212.449 208.81,212.125 209.487,212.125 211.186,210.425 218.395,210.425 219.894,211.925 220.743,211.925 220.893,212.075 221.028,212.209 221.162,212.344 cw(c221.296,212.209) 221.431,212.344 221.477,212.298 ccw(c221.611,212.432) 221.745,212.298 ccw(c221.611,212.432) 221.745,212.567 221.565,212.747 221.06,213.252 cw(c221.195,213.386) 221.06,213.52 cw(c221.195,213.386) 221.329,213.52 221.834,213.015 222.014,212.835 ccw(c222.148,212.97) 222.283,212.835 ccw(c222.148,212.97) 222.283,213.104 222.103,213.284 221.96,213.427 cw(c222.094,213.561) 221.96,213.695 cw(c222.094,213.561) 222.229,213.695 222.371,213.553 222.551,213.373 ccw(c222.686,213.507) 222.82,213.373 ccw(c222.686,213.507) 222.82,213.641 222.64,213.822 222.498,213.964 cw(c222.632,214.098) 222.498,214.233 cw(c222.632,214.098) 222.766,214.233 222.909,214.09 223.089,213.91 ccw(c223.223,214.044) 223.358,213.91 ccw(c223.223,214.044) 223.358,214.179 223.312,214.225 cw(c223.446,214.359) 223.312,214.493 223.993,215.175 224.501,215.683 224.501,215.718 224.788,216.005 225.481,216.005 IC4.P2@225.991,216.515
  BottomLayer w0.19: R110.1@208.744,211.42 208.744,212.725 v2(208.894,212.875)
DDR3_A10: IC4.L4 IC8.L7 R109.1 | length 25.4
  TopLayer w0.19: IC8.L7@211.686,215.649 212.129,216.092 v2(212.129,216.035) ; v2(227.491,220.015) IC4.L4@227.991,219.515
  BottomLayer w0.19: R109.1@210.589,215.9 210.725,216.035 v2(212.129,216.035) 212.391,216.297 214.544,216.297 215.422,217.175 216.119,217.175 216.36,217.415 ccw(c216.222,217.553) 216.36,217.691 216.129,217.921 cw(c216.267,218.059) 216.129,218.197 cw(c216.267,218.059) 216.405,218.197 216.773,217.829 217.142,217.461 ccw(c217.28,217.599) 217.417,217.461 ccw(c217.28,217.599) 217.417,217.736 217.049,218.105 216.681,218.473 cw(c216.819,218.611) 216.681,218.749 cw(c216.819,218.611) 216.957,218.749 217.325,218.38 217.693,218.012 ccw(c217.831,218.15) 217.969,218.012 ccw(c217.831,218.15) 217.969,218.288 217.739,218.518 cw(c217.876,218.656) 217.739,218.794 217.794,218.85 218.469,219.525 225.456,219.525 225.581,219.65 225.581,219.668 225.825,219.912 225.825,220.03 226.319,220.525 226.981,220.525 v2(227.491,220.015)
DDR3_A11: IC4.N5 IC8.R7 R108.1 | length 26.9
  TopLayer w0.19: v2(211.229,211.96) 211.229,211.976 211.686,212.433 IC8.R7@211.686,212.449 ; v2(228.491,217.015) IC4.N5@228.991,217.515
  MidLayer2 w0.24: v2(211.229,211.96) 211.257,211.96 211.515,211.702 212.279,211.702 213.006,210.975 214.85,210.975 ccw(c214.85,211.215) 215.09,211.215 cw(c215.33,211.215) 215.33,211.455 cw(c215.33,211.215) 215.57,211.215 215.57,210.975 215.57,210.392 ccw(c215.81,210.392) 215.81,210.152 ccw(c215.81,210.392) 216.05,210.392 216.05,210.975 216.05,211.139 cw(c216.29,211.139) 216.29,211.379 cw(c216.29,211.139) 216.53,211.139 216.53,210.975 216.53,210.392 ccw(c216.77,210.392) 216.77,210.152 ccw(c216.77,210.392) 217.01,210.392 217.01,210.735 cw(c217.25,210.735) 217.25,210.975 218.725,210.975 220.669,210.975 225.269,215.575 225.274,215.57 227.676,215.57 227.994,215.889 227.994,216.518 v2(228.491,217.015)
  BottomLayer w0.19: R108.1@210.589,211.32 v2(211.229,211.96)
DDR3_A12: IC4.L3 IC8.N7 R107.1 | length 24.5
  TopLayer w0.19: v2(211.154,214.635) 211.154,214.581 IC8.N7@211.686,214.049 ; v2(226.491,220.015) IC4.L3@226.991,219.515
  BottomLayer w0.19: R107.1@210.589,214.975 210.994,214.57 211.089,214.57 v2(211.154,214.635) 211.306,214.635 211.861,214.08 212.253,214.08 212.258,214.075 213.069,214.075 213.069,214.1 213.394,214.425 214.069,214.425 215.594,215.95 216.92,215.95 217.148,216.177 ccw(c217.01,216.315) 217.148,216.453 216.823,216.777 cw(c216.961,216.915) 216.823,217.053 cw(c216.961,216.915) 217.099,217.053 217.561,216.591 217.983,216.169 ccw(c218.121,216.307) 218.259,216.169 ccw(c218.121,216.307) 218.259,216.445 217.837,216.867 217.818,216.886 cw(c217.956,217.024) 217.818,217.162 cw(c217.956,217.024) 218.094,217.162 218.113,217.143 218.429,216.826 ccw(c218.567,216.964) 218.705,216.826 ccw(c218.567,216.964) 218.705,217.102 218.526,217.28 cw(c218.664,217.418) 218.526,217.556 218.645,217.675 219.53,218.56 223.094,218.56 223.334,218.8 225.276,218.8 v2(226.491,220.015)
DDR3_A13: IC4.R1 IC8.T3 R106.1 | length 28.1
  TopLayer w0.19: R106.1@208.469,209.57 208.489,209.59 IC8.T3@208.489,211.646 ; IC8.T3@208.486,211.649 209.095,211.649 209.502,211.242 209.502,210.633 210.61,209.525 212.619,209.525 219.219,209.525 219.407,209.525 219.583,209.7 219.721,209.838 ccw(c219.583,209.976) 219.721,210.114 219.237,210.597 cw(c219.375,210.735) 219.237,210.873 cw(c219.375,210.735) 219.513,210.873 220.134,210.252 220.211,210.175 ccw(c220.349,210.313) 220.487,210.175 ccw(c220.349,210.313) 220.487,210.45 220.41,210.528 219.788,211.149 cw(c219.926,211.287) 219.788,211.425 cw(c219.926,211.287) 220.064,211.425 220.686,210.803 220.76,210.729 ccw(c220.898,210.867) 221.036,210.729 ccw(c220.898,210.867) 221.036,211.005 220.961,211.079 220.715,211.326 cw(c220.852,211.464) 220.715,211.602 cw(c220.852,211.464) 220.99,211.602 221.099,211.493 ccw(c221.237,211.631) 221.375,211.493 221.513,211.631 221.651,211.768 224.276,214.393 224.276,214.413 224.991,215.129 IC4.R1@224.991,215.515
DDR3_A14: IC4.N3 IC8.T7 R105.1 | length 27.2
  TopLayer w0.19: v2(211.312,211.275) IC8.T7@211.686,211.649 212.07,212.033 213.445,212.033 213.513,211.965 214.075,211.965 214.27,211.965 214.66,211.965 214.971,211.965 ccw(c214.971,212.044) 215.05,212.044 cw(c215.245,212.044) 215.245,212.239 cw(c215.245,212.044) 215.44,212.044 ccw(c215.519,212.044) 215.519,211.965 215.83,211.965 216.22,211.965 216.61,211.965 216.747,212.103 216.896,212.251 ccw(c216.768,212.379) 216.896,212.506 cw(c217.034,212.644) 216.896,212.782 cw(c217.034,212.644) 217.172,212.782 ccw(c217.299,212.909) 217.426,212.782 217.522,212.878 217.707,213.063 218.347,213.703 218.483,213.838 218.621,213.976 cw(c218.759,213.838) 218.896,213.976 218.989,213.884 ccw(c219.127,214.022) 219.265,213.884 ccw(c219.127,214.022) 219.265,214.16 219.172,214.252 cw(c219.31,214.39) 219.172,214.528 219.514,214.87 219.725,214.87 219.864,214.87 ccw(c219.864,215.065) 220.059,215.065 220.059,215.13 cw(c220.254,215.13) 220.254,215.325 cw(c220.254,215.13) 220.449,215.13 220.449,214.87 220.449,214.349 ccw(c220.644,214.349) 220.644,214.154 ccw(c220.644,214.349) 220.839,214.349 220.839,214.87 cw(c220.988,214.87) 220.988,215.019 221.081,215.019 cw(c221.081,214.87) 221.229,214.87 221.229,214.349 ccw(c221.424,214.349) 221.424,214.154 ccw(c221.424,214.349) 221.619,214.349 221.619,214.675 cw(c221.814,214.675) 221.814,214.87 221.91,214.965 ; 221.91,214.966 cw(c222.018,214.858) 222.126,214.966 ccw(c222.264,215.104) 222.402,214.966 ccw(c222.264,215.104) 222.402,215.242 222.294,215.35 221.88,215.763 cw(c222.018,215.901) 221.88,216.039 cw(c222.018,215.901) 222.156,216.039 222.57,215.625 222.677,215.518 ccw(c222.815,215.656) 222.953,215.518 ccw(c222.815,215.656) 222.953,215.793 222.846,215.901 222.693,216.054 cw(c222.831,216.191) 222.693,216.329 cw(c222.831,216.191) 222.969,216.329 222.983,216.315 ccw(c223.121,216.453) 223.259,216.315 223.397,216.453 223.535,216.591 223.979,216.591 224.403,217.015 226.491,217.015 IC4.N3@226.991,217.515
  BottomLayer w0.19: R105.1@210.589,210.375 211.312,211.098 v2(211.312,211.275)
DDR3_BA0: IC4.L5 IC8.M2 R101.1 | length 26.9
  TopLayer w0.19: R101.1@205.27,215.219 206.713,215.219 206.727,215.233 207.045,215.233 207.059,215.219 207.316,215.219 IC8.M2@207.686,214.849 207.973,215.135 v2(207.979,215.135) ; v2(228.491,220.015) IC4.L5@228.991,219.515
  SignalLayer1 w0.24: v2(207.979,215.135) 208.43,215.586 208.43,215.985 210.326,217.881 212.351,217.881 212.576,218.106 215.4,218.106 216.7,218.106 ccw(c216.7,218.346) 216.94,218.346 cw(c217.18,218.346) 217.18,218.586 cw(c217.18,218.346) 217.42,218.346 ccw(c217.66,218.346) 217.66,218.106 218.788,218.106 222.176,218.106 222.826,218.756 225.823,218.756 226.123,219.056 227.533,219.056 v2@228.423,219.946
  BottomLayer w0.19: v2(228.491,220.015) v2@228.491,220.028
DDR3_BA1: IC4.M2 IC8.N8 R100.1 | length 27.9
  TopLayer w0.19: v2(212.08,214.5) 212.08,214.455 IC8.N8@212.486,214.049 212.866,214.429 213.123,214.429 213.127,214.433 213.445,214.433 213.449,214.429 214.106,214.429 214.402,214.725 214.49,214.725 cw(c214.49,214.53) 214.685,214.53 214.685,214.304 ccw(c214.88,214.304) 214.88,214.109 ccw(c214.88,214.304) 215.075,214.304 215.075,214.725 215.075,214.876 cw(c215.27,214.876) 215.27,215.071 cw(c215.27,214.876) 215.465,214.876 215.465,214.725 215.465,214.186 ccw(c215.66,214.186) 215.66,213.991 ccw(c215.66,214.186) 215.855,214.186 215.855,214.53 cw(c216.05,214.53) 216.05,214.725 216.313,214.725 216.719,215.131 216.719,216.45 216.857,216.588 216.995,216.726 cw(c217.133,216.588) 217.271,216.726 217.702,216.294 ccw(c217.84,216.432) 217.978,216.294 ccw(c217.84,216.432) 217.978,216.57 217.409,217.139 217.148,217.4 cw(c217.286,217.538) 217.148,217.676 cw(c217.286,217.538) 217.424,217.676 217.685,217.415 218.254,216.846 ccw(c218.392,216.984) 218.53,216.846 ccw(c218.392,216.984) 218.53,217.122 218.098,217.553 cw(c218.236,217.691) 218.098,217.829 218.213,217.944 ; 218.319,218.05 218.213,217.944 ; IC4.M2@225.991,218.515 225.991,218.853 225.823,219.021 225.194,219.021 225.074,219.021 224.704,219.021 cw(c224.704,219.041) 224.684,219.041 ccw(c224.489,219.041) 224.489,219.236 ccw(c224.489,219.041) 224.294,219.041 224.294,219.021 224.294,218.989 cw(c224.099,218.989) 224.099,218.794 cw(c224.099,218.989) 223.904,218.989 ccw(c223.872,218.989) 223.872,219.021 223.514,219.021 223.319,219.021 223.171,219.021 222.25,218.1 220.9,218.1 220.856,218.1 ccw(c220.856,217.949) 220.705,217.949 cw(c220.51,217.949) 220.51,217.754 cw(c220.51,217.949) 220.315,217.949 ccw(c220.164,217.949) 220.164,218.1 220.076,218.1 ccw(c220.076,217.949) 219.925,217.949 cw(c219.73,217.949) 219.73,217.754 cw(c219.73,217.949) 219.535,217.949 ccw(c219.384,217.949) 219.384,218.1 219.34,218.1 ccw(c219.34,217.905) 219.145,217.905 219.145,217.637 cw(c218.95,217.637) 218.95,217.442 cw(c218.95,217.637) 218.755,217.637 218.755,217.905 ccw(c218.56,217.905) 218.56,218.1 218.369,218.1 218.213,217.943
  BottomLayer w0.19: v2(212.08,214.5) 212.483,214.5 R100.1@212.824,214.841
DDR3_BA2: IC4.N4 IC8.M3 R99.1 | length 26.8
  TopLayer w0.19: IC8.M3@208.486,214.849 208.943,214.393 v2(208.943,214.335) ; v2(227.491,217.015) IC4.N4@227.991,217.515
  SignalLayer1 w0.24: v2(208.943,214.335) 209.663,215.055 209.663,216.093 210.889,217.32 212.565,217.32 212.68,217.205 213.014,217.205 213.422,216.797 215.64,216.797 215.964,217.12 216.961,217.12 217.15,216.931 217.65,216.931 219.085,216.931 ccw(c219.085,217.171) 219.325,217.171 219.325,217.134 cw(c219.565,217.134) 219.565,217.374 cw(c219.565,217.134) 219.805,217.134 219.805,216.931 219.805,216.628 ccw(c220.045,216.628) 220.045,216.388 ccw(c220.045,216.628) 220.285,216.628 220.285,216.691 cw(c220.525,216.691) 220.525,216.931 222.521,216.931 223.56,217.97 225.679,217.97 226.218,217.431 226.976,217.431 v2@227.423,216.984
  BottomLayer w0.19: R99.1@206.809,214.92 206.835,214.945 207.575,214.945 207.805,214.715 208.532,214.715 208.912,214.335 v2(208.943,214.335)
DDR3_CAS_N: IC4.J6 IC8.K3 R103.1 | length 26.4
  TopLayer w0.19: v2(208.079,216.885) 208.079,216.856 IC8.K3@208.486,216.449 ; v2(229.491,222.015) IC4.J6@229.991,221.515
  MidLayer2 w0.24: v2(208.079,216.885) 209.48,216.885 210.624,218.03 212.474,218.03 212.669,218.225 215.369,218.225 217.169,220.025 222.019,220.025 222.544,220.55 224.344,220.55 225.319,221.525 225.352,221.525 225.372,221.505 228.981,221.505 v2(229.491,222.015)
  BottomLayer w0.19: R103.1@206.664,217.15 206.699,217.115 207.849,217.115 v2(208.079,216.885)
DDR3_CK_N: IC4.P4 IC8.K7 R121.2 | length 25.4
  TopLayer w0.095: v2@211.3,216.835 IC8.K7@211.686,216.449 ; v2(227.494,216.075) 227.551,216.075 IC4.P4@227.991,216.515
  SignalLayer1 w0.115: v2(211.229,216.835) 211.249,216.835 211.532,216.553 211.532,216.311 211.512,216.291 211.512,215.78 212.035,215.256 215.147,215.256 215.818,214.586 216.53,214.586 216.829,214.885 220.3,214.885 cw(c220.3,214.728) 220.457,214.728 220.457,214.502 ccw(c220.85,214.502) 221.242,214.502 221.242,215.503 cw(c221.4,215.503) 221.557,215.503 221.557,214.502 ccw(c221.95,214.502) 222.342,214.502 222.342,214.728 cw(c222.5,214.728) 222.5,214.885 222.829,214.885 223.191,215.246 224.047,216.103 224.342,216.397 227.236,216.397 227.772,216.397 227.875,216.294 227.875,216.112 227.808,216.045 227.524,216.045 v2(227.494,216.075)
  BottomLayer w0.095: R121.2@210.144,216.805 v2@211.199,216.805